# Altium PCB RSSI_Tag_V1.PcbDoc
Units mm, origin at the board's own origin, x right, y up, seen from the top; angles counter-clockwise.
Board outline 79.5 x 85.98 mm, 2 copper layers (Top Layer, Bottom Layer); 76 components, 47 nets, 358 pads, 141 vias.
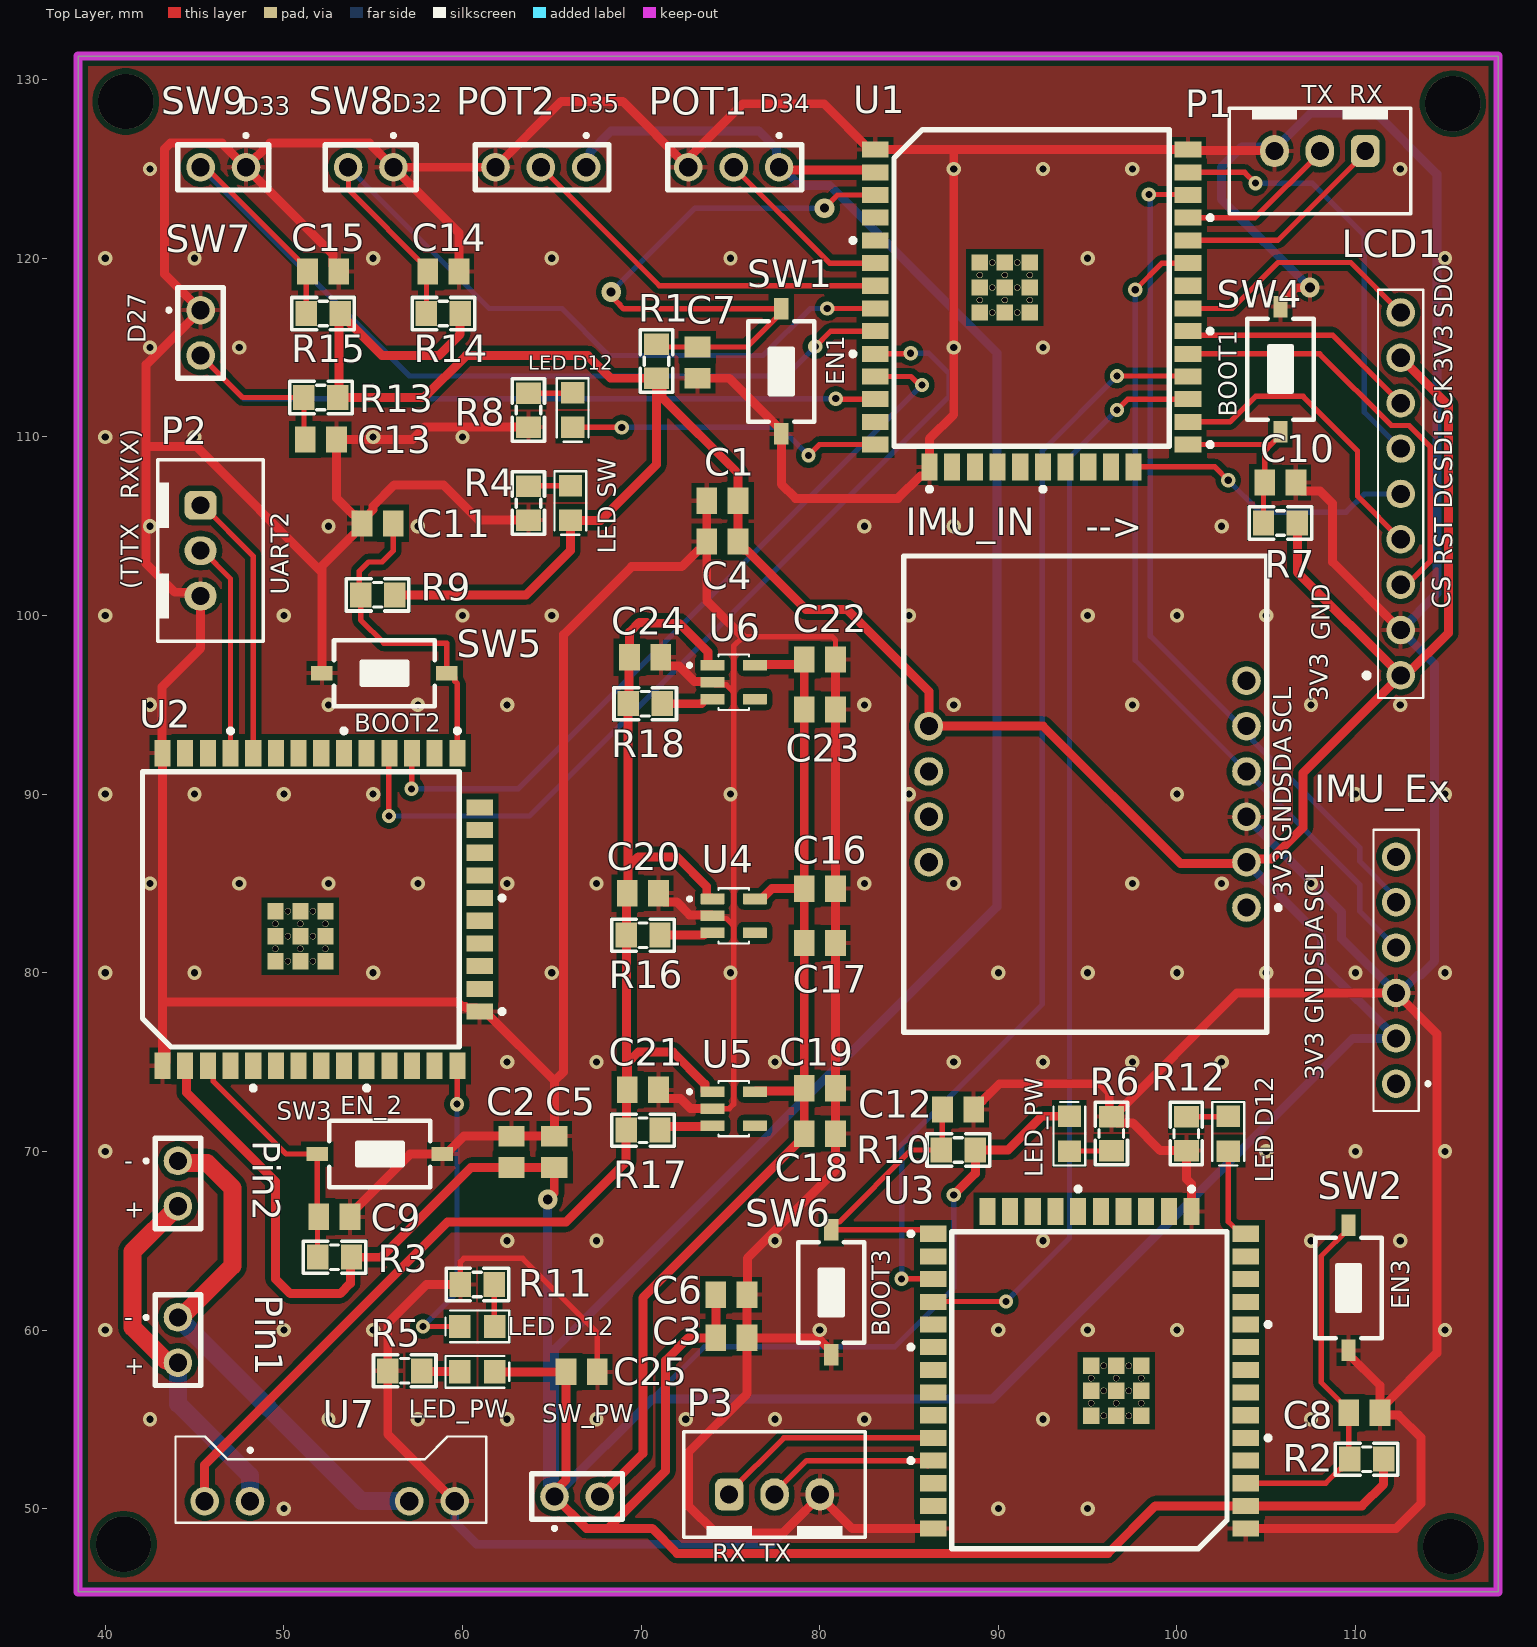
[diagram p0: Top Layer view]
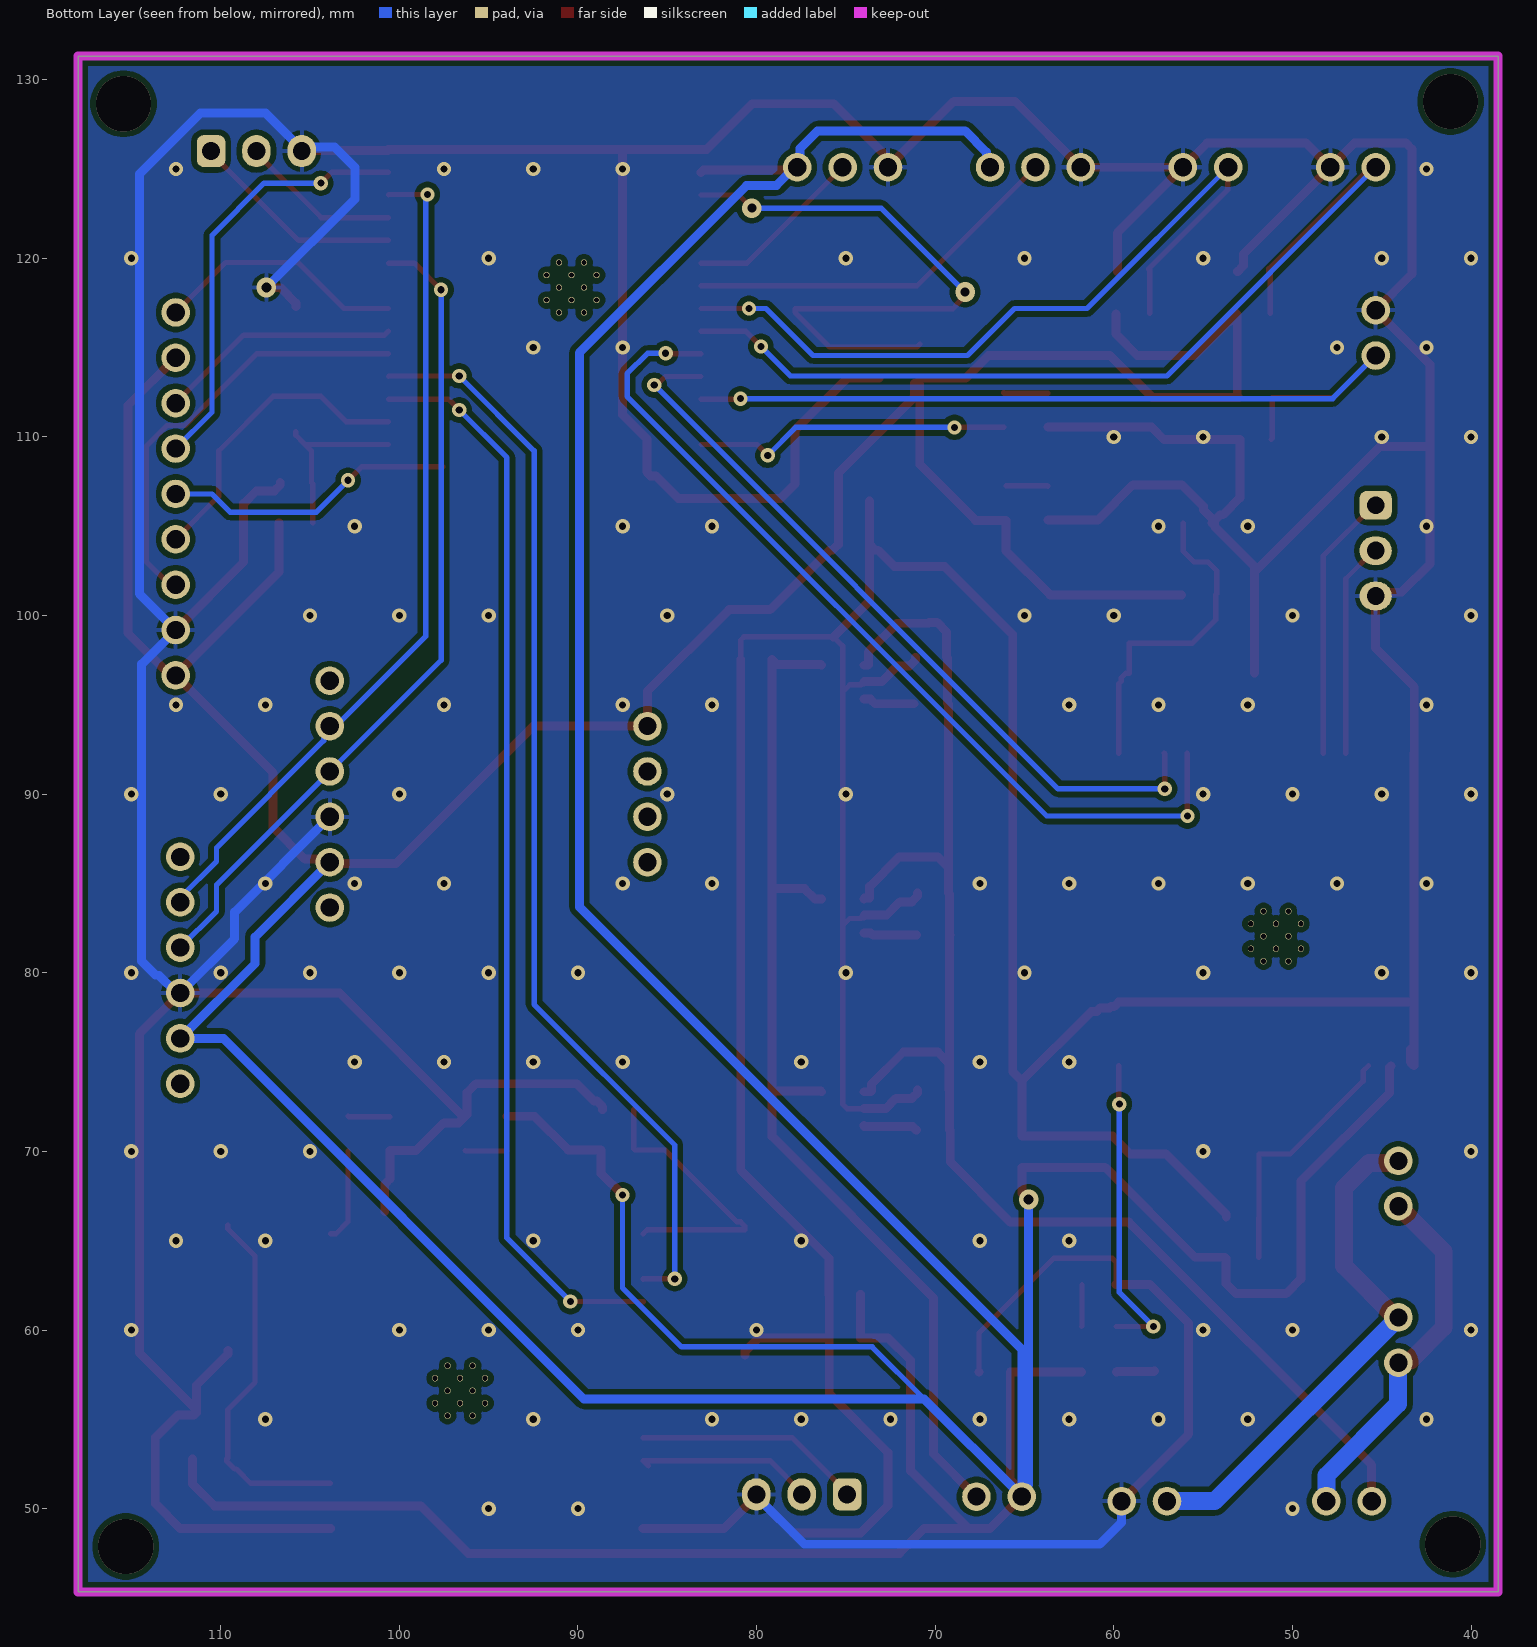
[diagram p1: Bottom Layer view, seen from below]

## Layer stack, top to bottom
Top Solder: solder mask 0.0102, Solder Resist, Dk 3.5
Top Layer: signal copper 0.0356
Dielectric 1: dielectric 0.32, FR-4, Dk 4.8
Bottom Layer: signal copper 0.0356
Bottom Solder: solder mask 0.0102, Solder Resist, Dk 3.5

## Board outline
38.481,45.339 38.481,131.318 117.983,131.318 117.983,45.339

## Design rules (kind name [scope] priority, off if disabled: settings)
Clearance [All] p1: gap=0.3 ignorepadtopadclearanceinfootprint=FALSE
PolygonConnect [All] p1: connectstyle=Relief reliefconductorwidth=0.254 reliefentries=4 polygonreliefangle="90 Angle" airgapwidth=0.254
RoutingVias [All] p1: holewidth=0.711 width=1.27 viastyle="Through Hole" minholewidth=0.711 minwidth=1.27 maxholewidth=0.711 maxwidth=1.27
SolderMaskExpansion [All] p1: expansion=0.102 istentingtop=FALSE
Width POW [InNetClass('POW')] p1: maxlimit=1 minlimit=0.3 preferedwidth=0.5
Width RON [InNetClass('RON')] p2: maxlimit=0.5 minlimit=0.3 preferedwidth=0.3
30 further rules are at their usual default settings.

## Classes and differential pairs
net class RON: BOOT BOOT_2 BOOT_3 D2/SPI_DC D4/SPI_RST D5/SPI_CS D12/LED1 D12/LED1_2 D12/LED1_3 D18/SPI_SCK D19/SPI_SDO D23/SPI_SDI D27 D32 D33 D34_Pot1 D35_Pot2 EN EN_2 EN_3 NetLED1_2 NetLED2_2 NetLED3_2 NetLED4_2 NetLED5_2 NetLED6_2 NetR16_2 NetR17_2 NetR18_2 RX0 RX0_2 RX0_3 RX1/TX2_2 RX2/TX2_3 SCL SDA TX0 TX0_2 TX0_3 TX1/RX2_2 TX2_RX2_3
net class POW: 3V3 GND O_3V3 VBAT+ VBAT- VOUT

## Components (designator, comment, footprint, x,y, rotation, side; value= is the part's Value field where it differs from the comment)
C1 "10uF" Capacitor_0805 74.549,106.426 r180 top
C2 "10uF" Capacitor_0805 62.738,69.977 r90 top
C3 "10uF" Capacitor_0805 75.057,59.563 r0 top
C4 "0.1uF" Capacitor_0805 74.549,104.14 r180 top
C5 "0.1uF" Capacitor_0805 65.138,69.977 r90 top
C6 "0.1uF" Capacitor_0805 75.057,61.976 r0 top
C7 "10uF" Capacitor_0805 73.152,114.159 r270 top
C8 "10uF" Capacitor_0805 110.49,55.372 r0 top
C9 "10uF" Capacitor_0805 52.832,66.335 r0 top
C10 "10uF" Capacitor_0805 105.791,107.442 r0 top
C11 "10uF" Capacitor_0805 55.245,105.156 r180 top
C12 "10uF" Capacitor_0805 87.743,72.341 r0 top
C13 "10uF" Capacitor_0805 52.07,109.855 r0 top
C14 "10uF" Capacitor_0805 58.928,119.253 r0 top
C15 "10uF" Capacitor_0805 52.197,119.253 r0 top
C16 "47uF" Capacitor_0805 80.01,84.709 r0 top
C17 "0.1uF" Capacitor_0805 80.01,81.661 r0 top
C18 "47uF" Capacitor_0805 80.01,70.993 r0 top
C19 "0.1uF" Capacitor_0805 80.01,73.533 r0 top
C20 "0.1uF" Capacitor_0805 70.104,84.455 r0 top
C21 "0.1uF" Capacitor_0805 70.104,73.447 r0 top
C22 "47uF" Capacitor_0805 80.01,97.536 r0 top
C23 "0.1uF" Capacitor_0805 80.01,94.742 r0 top
C24 "0.1uF" Capacitor_0805 70.231,97.663 r0 top
C25 "0.1uF" Capacitor_0805 66.675,57.658 r0 top
IMU_Ex "BNO055" BNO055_External 112.268,80.137 r90 top (schematic designator IMU_Ex1)
IMU_IN "BNO055" BNO055_Internal 95,90 r90 top
LCD1 "ILI9341" ILI9341_LCD3.5 112.522,106.807 r0 top
"LED D12" "Led" "Led 0805 Blue" 102.87,70.993 r90 top (schematic designator LED6)
"LED D12" "Led" "Led 0805 Blue" 60.833,60.198 r0 top (schematic designator LED5)
"LED D12" "Led" "Led 0805 Blue" 66.167,111.506 r90 top (schematic designator LED4)
"LED SW" "Led" "Led 0805 Blue" 66.04,106.299 r90 top (schematic designator LED1)
LED_PW "Led" "Led 0805 Blue" 93.98,70.993 r270 top (schematic designator LED3)
LED_PW "Led" "Led 0805 Blue" 60.833,57.658 r180 top (schematic designator LED2)
P1 "UART" HDR/Header/3/BOX 108,126 r270 top
P2 "UART" HDR/Header/3/BOX 45.339,103.632 r0 top
P3 "UART" HDR/Header/3/BOX 77.47,50.8 r90 top
Pin1 "JP_1x2" JP_1x2 44.069,59.436 r270 top (schematic designator Battery1)
Pin2 "JP_1x2" JP_1x2 44.069,68.199 r270 top (schematic designator Battery2)
POT1 "JP_1x3" JP_1x3 79.121,119.634 r180 top
POT2 "JP_1x3" JP_1x3 68.326,119.634 r180 top
R1 "10k" "tro smd 0805" 70.927,114.238 r270 top
R2 "10k" "tro smd 0805" 110.617,52.832 r0 top
R3 "10k" "tro smd 0805" 52.832,64.135 r0 top
R4 "1k" "tro smd 0805" 63.754,106.299 r270 top
R5 "1k" "tro smd 0805" 56.769,57.658 r180 top
R6 "1k" "tro smd 0805" 96.266,70.993 r90 top
R7 "10k" "tro smd 0805" 105.791,105.242 r0 top
R8 "1k" "tro smd 0805" 63.754,111.506 r270 top
R9 "10k" "tro smd 0805" 55.245,101.219 r0 top
R10 "10k" "tro smd 0805" 87.757,70.14 r0 top
R11 "1k" "tro smd 0805" 60.833,62.484 r180 top
R12 "1k" "tro smd 0805" 100.584,70.993 r270 top
R13 "10k" "tro smd 0805" 52.07,112.268 r0 top
R14 "10k" "tro smd 0805" 58.928,116.967 r0 top
R15 "10k" "tro smd 0805" 52.197,116.967 r0 top
R16 "1k" "tro smd 0805" 70.104,82.169 r0 top
R17 "1k" "tro smd 0805" 70.104,71.247 r0 top
R18 "1k" "tro smd 0805" 70.231,95.123 r0 top
SW1 "SW" SW1-SMD 77.851,113.665 r90 top value="SW chip 2 pin"
SW2 "SW" SW1-SMD 109.601,62.357 r90 top value="SW chip 2 pin"
SW3 "SW" SW1-SMD 55.372,69.85 r180 top value="SW chip 2 pin"
SW4 "SW" SW1-SMD 105.791,113.792 r270 top value="SW chip 2 pin"
SW5 "SW" SW1-SMD 55.626,96.774 r0 top value="SW chip 2 pin"
SW6 "SW" SW1-SMD 80.645,62.103 r90 top value="SW chip 2 pin"
SW7 "JP_1x2" JP_1x2 45.339,115.824 r270 top
SW8 "JP_1x2" JP_1x2 54.864,125.095 r180 top
SW9 "JP_1x2" JP_1x2 46.609,125.095 r180 top
SW_PW "SW_POWER" JP_1x2 66.421,50.673 r0 top (schematic designator jp_1)
U1 "ESP32_WROOM_32U" ESP32_WROOM_32U 91.859,117.201 r0 top
U2 "ESP32_WROOM_32U" ESP32_WROOM_32U 52.084,83.545 r90 top
U3 "ESP32_WROOM_32U" ESP32_WROOM_32U 95.1,57.76 r180 top
U4 "AP2112K-3.3TRG1" SOT95P285X140-5N 75.184,83.185 r0 top
U5 "AP2112K-3.3TRG1" SOT95P285X140-5N 75.184,72.39 r0 top
U6 "AP2112K-3.3TRG1" SOT95P285X140-5N 75.184,96.266 r0 top
U7 "TP4056_charger" TP4056_charger 52.563,38.919 r90 top

## Footprints (in the part's own frame and the unit in brackets; to place one, negate y for a bottom-side part, rotate by r counter-clockwise, add the part's x,y. Pads: shape width x height; smd on the part's side, far side on the other; paste and mask are expansions set on the pad)
BNO055_External [mm]
  round 1.6 hole 1.02 mask+0.1: 1(-6.35,0) 2(-3.81,0) 3(-1.27,0) 4(1.27,0) 5(3.81,0) 6(6.35,0)
  silkscreen extent -7.87,-1.88 7.87,1.27, body extent -8.75,-2.16 8.75,3.59, height 7.1
BNO055_Internal [mm]
  round 1.6 hole 1.02 mask+0.1: 1(-6.35,-8.89) 2(-3.81,-8.89) 3(-1.27,-8.89) 4(1.27,-8.89) 5(3.81,-8.89) 6(6.35,-8.89) 7(3.81,8.89) 8(1.27,8.89) 9(-1.27,8.89) 10(-3.81,8.89)
  silkscreen extent -13.33,-10.77 13.33,10.29, body extent -13.33,-10.12 13.33,10.29, height 9.15
Capacitor_0805 [mm]
  rect 1.16x1.47 smd: 1(-0.875,0) 2(0.875,0)
  body extent -1,-0.6 1,0.6, height 1.2
ESP32_WROOM_32U [mm]
  rect 1.5x0.9 smd: 1(-8.75,8.88) 2(-8.75,7.61) 3(-8.75,6.34) 4(-8.75,5.07) 5(-8.75,3.8) 6(-8.75,2.53) 7(-8.75,1.26) 8(-8.75,-0.01) 9(-8.75,-1.28) 10(-8.75,-2.55) 11(-8.75,-3.82) 12(-8.75,-5.09) 13(-8.75,-6.36) 14(-8.75,-7.63) 25(8.75,-7.63) 26(8.75,-6.36) 27(8.75,-5.09) 28(8.75,-3.82) 29(8.75,-2.55) 30(8.75,-1.28) 31(8.75,-0.01) 32(8.75,1.26) 33(8.75,2.53) 34(8.75,3.8) 35(8.75,5.07) 36(8.75,6.34) 37(8.75,7.61) 38(8.75,8.88)
  rect 0.9x1.5 smd: 15(-5.715,-8.88) 16(-4.445,-8.88) 17(-3.175,-8.88) 18(-1.905,-8.88) 19(-0.635,-8.88) 20(0.635,-8.88) 21(1.905,-8.88) 22(3.175,-8.88) 23(4.445,-8.88) 24(5.715,-8.88)
  rect 0.9x0.9 smd: 39_1(-2.9,2.56) 39_2(-1.5,2.56) 39_3(-0.1,2.56) 39_4(-2.9,1.16) 39_5(-1.5,1.16) 39_6(-0.1,1.16) 39_7(-2.9,-0.24) 39_8(-1.5,-0.24) 39_9(-0.1,-0.24)
  round 0.35 hole 0.3 mask+0: 40_1(-2.2,2.56) 40_2(-0.8,2.56) 40_3(-2.9,1.86) 40_4(-1.5,1.86) 40_5(-0.1,1.86) 40_6(-2.2,1.16) 40_7(-0.8,1.16) 40_8(-2.9,0.46) 40_9(-1.5,0.46) 40_10(-0.1,0.46) 40_11(-2.2,-0.24) 40_12(-0.8,-0.24)
  silkscreen extent -10.1,-10.23 10.1,10, body extent -9,-9.13 9,10.07, height 3.35
HDR/Header/3/BOX [mm]
  rrect50% 1.8x1.6 hole 1: 1(0,2.54)
  oval 1.8x1.6 hole 1: 2(0,0) 3(0,-2.54)
  silkscreen extent -2.41,-5.08 3.5,5.08, body extent -2.29,-5 3.41,5, height 7
ILI9341_LCD3.5 [mm]
  round 1.6 hole 1.02 mask+0.1: 1(0,-10.16) 2(0,-7.62) 3(0,-5.08) 4(0,-2.54) 5(0,0) 6(0,2.54) 7(0,5.08) 8(0,7.62) 9(0,10.16)
  silkscreen extent -2.03,-11.43 1.27,11.43, body extent -3.56,-12.5 2.19,12.5, height 7.1
JP_1x2 [mm] "CWF2 (DS1069-1x2)"
  round 1.6 hole 1.02 mask+0.1: 1(-1.27,0) 2(1.27,0)
  silkscreen extent -2.54,-1.88 2.54,1.27, body extent -3.77,-2.2 3.73,3.55, height 7
JP_1x3 [mm] "CWF3 (DS1069-1x3)"
  round 1.6 hole 1.02 mask+0.1: 1(1.397,-5.461) 2(3.937,-5.461) 3(6.477,-5.461)
  silkscreen extent 0.13,-7.34 7.62,-4.19, body extent -1.06,-7.66 8.94,-1.9, height 7.1
"Led 0805 Blue" [mm]
  rect 1.2x1.3 smd: 1(-0.975,0) 2(0.975,0)
  silkscreen extent -1.78,-0.89 1.78,0.89, body extent -1.01,-0.62 1.01,0.63, height 1.1
SOT95P285X140-5N [mm]
  rrect15% 1.35x0.6 smd: 1(-1.185,0.95) 2(-1.185,0) 3(-1.185,-0.95) 4(1.185,-0.95) 5(1.185,0.95)
  silkscreen extent -2.57,-1.55 0.85,1.55, body extent -1.5,-1.4 1.5,1.4, height 1.4
SW1-SMD [mm]
  rect 1.2x0.8 smd: 1(-3.5,0) 2(3.5,0)
  silkscreen extent -2.82,-1.85 2.82,1.85, body extent -3.05,-1.85 3.05,1.85, height 2.5
TP4056_charger [mm]
  round 1.6 hole 1.02 mask+0.1: 1(11.5,4.46) 2(11.5,-4.46) 3(11.5,7) 4(11.5,-7)
  silkscreen extent 10.29,-8.76 15.11,8.64, body extent -14.19,-8.76 15.11,8.64, height 9.34
"tro smd 0805" [mm]
  rect 1.2x1.4 smd: 1(-0.946,-0.061) 2(0.954,-0.061)
  silkscreen extent -1.75,-0.97 1.75,0.84, body extent -1.56,-0.76 1.44,0.64, height 0.53

## Part data
C1 C2 C3 C4 C5 C6 C7 C8 C9 C10 C11 C12 C13 C14 C15 C16 C17 C18 C19 C20 C21 C22 C23 C24 C25: library part Capacitor_0805, "Capacitor; Ceramic; Cap; .220uF; Tol 10%; SMT; Vol-Rtg 50V; X7R; Tape And Reel"
IMU_Ex: library part BNO055_External
LCD1: library part ILI9341_LCD3.5
"LED D12" "LED D12" "LED D12" "LED SW" LED_PW LED_PW: "Typical LED"
P1 P2 P3: library part "Header 3", "Header, 3-Pin"
R1 R2 R3 R7 R9 R10 R13 R14 R15: library part "Tro 0805 1% 10k", "Dán", Chung_Loai=Dán, Don_Vi=Con, Ma_Hang=MH005473, So_Chan=2, Ten_Linh_Kien="Trở 0805 1% 10k"
R4 R5 R6 R8 R11 R12 R16 R17 R18: library part "Tro 0805 1% 1k", "Dán", Chung_Loai=Dán, Don_Vi=Con, Ma_Hang=MH005468, So_Chan=2, Ten_Linh_Kien="Trở 0805 1% 1k"
SW1 SW2 SW3 SW4 SW5 SW6: library part SW2, "Switch button 2 pin"
SW_PW: library part JP_1x2
U1 U2 U3: "Bluetooth, WiFi 802.11b/g/n, Bluetooth v4.2 +EDR, Class 1, 2 and 3 Transceiver Module 2.4GHz ~ 2.5GHz Antenna Not Included, U.FL Surface Mount"
U4 U5 U6: "Linear Voltage Regulator IC Positive Fixed 1 Output 600mA SOT-25", Package="SOT-753 Diodes Inc.", Availability="In Stock", Check_prices=https://www.snapeda.com/parts/AP2112K-3.3TRG1/Diodes+Inc./view-part/?ref=eda, MF="Diodes Inc.", MP=AP2112K-3.3TRG1, Price=None, Purchase-URL=https://pricing.snapeda.com/search/part/AP2112K-3.3TRG1/?ref=eda, SnapEDA_Link=https://www.snapeda.com/parts/AP2112K-3.3TRG1/Diodes+Inc./view-part/?ref=snap

## Via types
v1: diameter 0.8, hole 0.4, Top Layer to Bottom Layer, 133 vias
v2: diameter 3.1, hole 3.1, Top Layer to Bottom Layer, 4 vias
v3: diameter 1.1, hole 0.5, Top Layer to Bottom Layer, 2 vias
v4: diameter 1.1, hole 0.55, Top Layer to Bottom Layer, 2 vias

## Nets (pads, with @x,y where several pads share a name; then routed paths per layer and width w, separated by ;. In a path a pad name is that pad's centre, name@x,y a point inside that pad or via, vN(x,y) a via of type N, cw(c..) or ccw(c..) an arc to the next point about the centre after c; other vN are vias at no path point)
3V3: "LED SW.1" C1.1 C2.1 C3.1 C4.1 C5.1 C6.1 C25.1 IMU_Ex.2 IMU_IN.2 IMU_IN.7 LCD1.1 LCD1.8 LED_PW.1 POT1.1 POT2.1 R1.2 R2.2 R3.2 R7.2 R9.2 R10.2 R13.2 R14.2 R15.2 SW_PW.1 U1.2 U2.2 U3.2 | length 494.8
  Top Layer w0.5: U2.2 44.561,74.708 44.561,73.295 49.53,68.326 49.53,62.865 50.355,62.039 53.149,62.039 53.721,62.611 53.721,64.009 R3.2 55.456,64.074 60.484,69.102 C2.1 C5.1 65.138,67.678 v4(64.77,67.31) ; R15.2@53.088,116.843 53.088,112.271 R13.2 57.851,112.207 60.198,114.554 67.021,114.554 68.291,113.284 R1.2 ; R15.2 53.151,116.806 53.501,116.456 53.601,116.456 55.504,114.554 58.674,114.554 59.869,115.749 R14.2@59.869,116.893 ; R9.2 63.566,101.158 66.04,103.632 66.04,105.324 67.732,105.324 70.866,108.458 R1.2@70.866,112.934 ; LED_PW.1@61.808,57.658 C25.1 65.8,51.62 65.151,50.971 SW_PW.1 66.929,48.895 68.16,48.895 ; R1.2@70.921,112.989 71.161,112.989 71.161,112.227 75.424,107.964 C1.1 C4.1 75.424,103.985 75.754,103.655 75.909,103.655 79.234,100.33 81.534,100.33 86.11,95.754 IMU_IN.7 92.499,93.81 100.203,86.106 103.806,86.106 IMU_IN.2 104.06,86.36 105.283,86.36 107.061,88.138 107.061,91.186 LCD1.1 ; C6.1 C3.1 72.644,59.563 71.374,58.293 71.374,52.109 68.16,48.895 ; POT1.1 77.866,124.953 82.967,124.953 U1.2 ; v1(87.503,67.564) 88.711,68.772 R10.2 90.552,70.08 92.44,71.968 LED_PW.1@93.98,71.968 ; R7.2 106.745,102.424 LCD1.1 ; R2.2 111.571,51.373 110.348,50.15 U3.2 98.791,50.15 96.139,47.498 72.009,47.498 70.612,48.895 68.16,48.895 ; LCD1.8 115.189,111.76 115.189,99.016 112.82,96.647 LCD1.1
  Bottom Layer w0.3: 70.612,56.134 73.533,59.055 84.201,59.055 87.503,62.357 v1(87.503,67.564)
  Bottom Layer w0.5: SW_PW.1@64.77,51.352 v4(64.77,67.31) ; SW_PW.1 65.151,58.928 89.916,83.693 89.916,114.713 80.554,124.075 78.896,124.075 77.875,125.095 POT1.1 77.572,125.247 77.572,126.136 76.581,127.127 68.326,127.127 67.139,125.94 67.139,125.305 POT2.1 ; SW_PW.1@65.3,50.822 70.612,56.134 89.662,56.134 109.855,76.327 IMU_Ex.2 108.079,80.516 108.079,82.001 IMU_IN.2
BOOT: C10.1 R7.1 SW4.2 U1.25 | length 10.2
  Top Layer w0.3: U1.25 105.27,109.571 ; R7.1 104.845,107.371 C10.1 104.916,109.217 105.27,109.571 ; SW4.2 105.791,110.092 105.27,109.571
BOOT_2: C11.1 R9.1 SW5.2 U2.25 | length 18.5
  Top Layer w0.3: C11.1 56.12,103.618 55.499,102.997 54.737,102.997 54.229,102.489 54.229,101.229 R9.1 54.299,99.752 55.594,98.457 59.126,98.457 SW5.2 59.326,96.774 59.576,96.524 59.576,96.324 59.714,96.186 U2.25
BOOT_3: C12.1 R10.1 SW6.2 U3.25 | length 16.2
  Top Layer w0.3: U3.25 86.137,65.603 SW6.2 80.645,65.803 80.895,66.053 81.095,66.053 85.122,70.08 R10.1 86.868,70.136 C12.1
D2/SPI_DC: LCD1.5 U1.24 | length 16.4
  Top Layer w0.3: U1.24 102.118,108.321 v1(102.87,107.569)
  Bottom Layer w0.3: v1(102.87,107.569) 104.648,105.791 109.474,105.791 110.49,106.807 LCD1.5
D4/SPI_RST: LCD1.4 U1.26 | length 17.3
  Top Layer w0.3: U1.26 102.967,110.841 104.394,112.268 107.061,112.268 110.109,109.22 110.109,106.68 LCD1.4
D5/SPI_CS: LCD1.3 U1.29 | length 24.3
  Top Layer w0.3: U1.29 107.99,114.651 112.004,110.637 113,110.637 114.173,109.464 114.173,103.026 112.874,101.727 LCD1.3
D12/LED1: "LED D12.1"@66.167,110.531 U1.14 | length 17.9
  Top Layer w0.3: 66.167,110.531 v1(68.92,110.531) v1@68.961,110.49 ; v1(79.375,108.966) 79.98,109.571 U1.14
  Bottom Layer w0.3: v1(68.92,110.531) 77.81,110.531 v1(79.375,108.966)
D12/LED1_2: "LED D12.1"@59.858,60.198 U2.14 | length 17.2
  Top Layer w0.3: v1@58.039,60.198 59.858,60.198 ; v1(59.69,72.644) 59.714,72.668 U2.14
  Bottom Layer w0.3: v1(57.785,60.198) 59.69,62.103 v1(59.69,72.644)
D12/LED1_3: "LED D12.1"@102.87,70.018 U3.14 | length 5.2
  Top Layer w0.3: 102.87,70.018 102.87,66.07 103.55,65.39 U3.14
D18/SPI_SCK: LCD1.7 U1.30 | length 13.6
  Top Layer w0.3: U1.30 100.833,115.697 108.712,115.697 LCD1.7
D19/SPI_SDO: LCD1.9 U1.31 | length 14.1
  Top Layer w0.3: U1.31 103.094,117.191 105.664,119.761 109.728,119.761 LCD1.9
D23/SPI_SDI: LCD1.6 U1.37 | length 24.1
  Top Layer w0.3: U1.37 103.789,124.811 v1(104.394,124.206)
  Bottom Layer w0.3: v1(104.394,124.206) 107.569,124.206 110.49,121.285 110.49,111.379 LCD1.6
D27: C13.1 R13.1 SW7.2 U1.12 | length 47.7
  Top Layer w0.3: SW7.2 47.686,112.207 R13.1 51.124,109.926 C13.1 ; v1@81.153,112.141 81.183,112.111 U1.12
  Bottom Layer w0.3: SW7.2 47.752,112.141 v1(80.899,112.141)
D32: C14.1 R14.1 SW8.2 U1.8 | length 45.1
  Top Layer w0.3: SW8.2 53.616,125.073 53.616,123.845 58.053,119.408 57.982,119.337 R14.1 ; v1@80.391,117.221 v1(80.421,117.191) U1.8
  Bottom Layer w0.3: SW8.2 61.498,117.191 65.562,117.191 68.073,114.68 68.199,114.554 76.835,114.554 79.472,117.191 v1(80.421,117.191)
D33: C15.1 R15.1 SW9.2 U1.9 | length 54.5
  Top Layer w0.3: SW9.2 45.635,125.095 51.322,119.408 C15.1 51.251,119.182 R15.1 ; v1(79.756,115.062) 80.615,115.921 U1.9
  Bottom Layer w0.3: SW9.2 57.023,113.411 78.105,113.411 v1(79.756,115.062)
D34_Pot1: POT1.2 U1.6 | length 10.1
  Top Layer w0.3: POT1.2 80.548,119.731 U1.6
D35_Pot2: POT2.2 U1.7 | length 21.5
  Top Layer w0.3: POT2.2 71.023,118.461 U1.7
EN: C7.1 R1.1 SW1.2 U1.3 | length 35.1
  Top Layer w0.3: v3(68.326,118.11) 68.326,117.894 68.8,117.419 68.8,117.382 69.017,117.165 SW1.2 77.851,116.965 75.92,115.034 C7.1 71.016,115.034 R1.1 ; v3(80.264,122.809) 80.996,123.541 U1.3
  Bottom Layer w0.3: v3(68.326,118.11) 73.025,122.809 v3(80.264,122.809)
EN_2: C9.1 R3.1 SW3.2 U2.3 | length 14.3
  Top Layer w0.3: U2.3 46.044,74.495 46.044,73.929 50.123,69.85 SW3.2 51.872,66.279 51.886,66.265 R3.1
EN_3: C8.1 R2.1 SW2.2 U3.3 | length 20.8
  Top Layer w0.3: U3.3 108.32,51.42 109.121,52.221 109.221,52.221 109.671,52.671 R2.1 109.615,52.828 C8.1 109.615,55.527 108.077,57.065 108.077,64.133 109.601,65.657 SW2.2
GND: C1.2 C2.2 C3.2 C4.2 C5.2 C6.2 C7.2 C8.2 C9.2 C10.2 C11.2 C12.2 C13.2 C14.2 C15.2 C16.2 C17.2 C18.2 C19.2 C20.2 C21.2 C22.2 C23.2 C24.2 C25.2 IMU_Ex.3 IMU_IN.3 LCD1.2 P1.3 P2.3 P3.3 POT1.3 POT2.3 R4.2 R5.2 R6.2 R8.2 R11.2 R12.2 SW1.1 SW2.1 SW3.1 SW4.1 SW5.1 SW6.1 SW7.1 SW8.1 SW9.1 U1.1 U1.15 U1.38 U2.1 U2.15 U2.38 U3.1 U3.15 U3.38 U4.2 U5.2 U6.2 U7.4 | length 668.9
  Top Layer w0.3: R11.2 59.879,63.816 60.074,64.011 63.37,64.011 67.55,59.831 C25.2 ; U5.2 74.93,72.39 75.184,72.644 75.184,82.635 ; U4.2 74.149,83.035 74.784,83.035 75.184,82.635 ; U6.2 74.149,96.116 74.784,96.116 75.184,95.716 ; C22.2 80.885,98.63 80.709,98.806 75.692,98.806 75.184,98.298 75.184,95.716 ; 75.184,82.635 75.184,95.716
  Top Layer w0.5: 43.404,75.703 43.404,74.995 U2.1 43.204,78.359 ; SW5.1 52.126,102.433 ; C15.2 52.742,119.583 52.742,120.232 SW9.1 ; C9.2 53.707,66.49 57.067,69.85 SW3.1 59.072,69.85 60.074,70.852 C2.2 C5.2 65.151,70.865 65.151,73.943 ; C11.2@54.497,105.184 C11.2@54.37,105.311 ; U7.4@59.567,50.415 U7.4 55.815,54.167 R5.2 55.815,60.387 57.973,62.545 R11.2 ; C14.2 59.803,121.426 SW8.1 ; R4.2 60.898,105.345 58.928,107.315 56.186,107.315 54.99,106.119 54.99,105.931 C11.2@54.37,105.311 ; R8.2 57.889,110.552 57.192,109.855 C13.2 52.945,106.581 53.885,105.641 54.04,105.641 C11.2@54.37,105.311 ; C25.2 C25.2@67.557,57.651 ; C21.2 70.979,73.292 71.309,72.962 72.199,72.962 72.771,72.39 U5.2 ; C20.2 70.979,84.3 71.309,83.97 71.986,83.97 72.721,83.235 73.949,83.235 U4.2 ; C24.2 71.106,97.508 71.436,97.178 72.113,97.178 72.975,96.316 73.949,96.316 U6.2 ; C7.2 74.932,113.284 77.851,110.365 SW1.1 77.851,107.354 78.652,106.553 84.376,106.553 85.644,107.821 85.944,107.821 86.144,108.021 U1.15 86.144,109.893 87.503,111.252 87.503,126.081 ; C1.2 C4.2 C4.2@73.674,103.985 ; 75.692,98.806 73.674,100.824 C4.2@73.674,103.985 ; P3.3 P3.3@80.01,50.7 ; SW6.1 80.645,58.803 79.885,59.563 C3.2 ; C22.2 C23.2 C16.2 C17.2 C19.2 C18.2 80.885,68.947 75.946,64.008 75.946,61.99 C6.2 C3.2 ; U3.38 81.83,48.88 P3.3@80.01,50.7 ; C12.2 88.618,72.496 88.948,72.826 89.103,72.826 90.064,73.787 95.719,73.787 96.209,73.297 96.209,72.066 R6.2 ; U3.15 100.815,68.168 100.523,68.46 R12.2 99.073,70.039 97.514,71.597 96.677,71.597 R6.2 ; U3.1 112.253,48.88 113.665,50.292 113.665,53.975 112.402,55.238 111.499,55.238 C8.2 ; P1.3 105.419,126.04 100.65,126.04 U1.38 87.503,126.081 ; SW4.1 105.791,117.492 106.648,118.349 107.427,118.349 v4(107.442,118.364) ; C10.2 106.666,107.306 106.996,106.976 107.996,106.976 108.712,106.26 108.712,102.997 LCD1.2 ; SW2.1 109.601,58.657 111.365,56.893 111.365,55.527 114.554,58.716 114.554,76.581 IMU_Ex.3 103.346,78.867 96.427,71.947 R6.2 ; 42.291,109.601 42.291,114.046 SW7.1 43.307,119.126 43.307,126.111 43.641,126.445 46.529,126.445 SW9.1 ; 42.291,109.601 42.291,102.909 43.897,101.302 45.129,101.302 P2.3 45.339,98.171 43.18,96.012 43.18,92.319 U2.38 43.204,78.359 ; 42.291,109.601 42.418,109.474 45.085,109.474 52.126,102.433 ; 43.204,78.359 59.727,78.359 59.986,78.1 60.171,78.1 60.241,78.03 60.764,78.03 U2.15 61.264,77.83 65.151,73.943 ; SW9.1 49.229,126.445 54.784,126.445 SW8.1 ; 52.126,102.433 52.126,102.757 54.37,105.001 C11.2 C11.2@54.37,105.311 ; SW8.1 POT2.3 65.532,128.778 68.961,128.778 POT1.3 72.854,125.305 72.854,125.813 75.692,128.651 80.239,128.651 82.809,126.081 U1.1 87.503,126.081 ; 65.151,73.943 65.659,74.451 65.659,98.933 69.469,102.743 72.277,102.743 73.189,103.655 73.344,103.655 C4.2@73.674,103.985 ; C3.2 75.932,56.43 72.644,53.142 72.644,50.165 74.168,48.641 77.951,48.641 P3.3@80.01,50.7
  Bottom Layer w0.5: U7.4 59.565,50.417 59.565,49.229 60.789,48.006 77.316,48.006 80.01,50.7 P3.3 P3.3@79.808,50.598 ; IMU_IN.3 109.22,83.4 109.22,81.915 IMU_Ex.3 112.472,78.867 113.466,79.861 113.643,79.861 114.427,80.645 114.427,97.282 LCD1.2 114.554,101.219 114.554,124.714 111.125,128.143 107.503,128.143 105.46,126.1 P1.3 105.222,126.238 103.632,126.238 102.489,125.095 102.489,123.317 v4(107.442,118.364)
  other v1: 50,50 90,50 95,50 42.5,55 52.5,55 57.5,55 62.5,55 67.5,55 72.5,55 77.5,55 82.5,55 92.5,55 107.5,55 40,60 50,60 55,60 80,60 90,60 95,60 100,60 115,60 62.5,65 67.5,65 77.5,65 92.5,65 107.5,65 112.5,65 40,70 55,70 105,70 110,70 115,70 62.5,75 67.5,75 77.5,75 87.5,75 92.5,75 97.5,75 102.5,75 40,80 45,80 55,80 65,80 75,80 90,80 95,80 100,80 105,80 110,80 115,80 42.5,85 47.5,85 52.5,85 57.5,85 62.5,85 67.5,85 82.5,85 87.5,85 97.5,85 102.5,85 107.5,85 40,90 45,90 50,90 55,90 75,90 85,90 100,90 110,90 115,90 42.5,95 52.5,95 57.5,95 62.5,95 82.5,95 87.5,95 97.5,95 107.5,95 112.5,95 40,100 50,100 60,100 65,100 85,100 95,100 100,100 105,100 42.5,105 52.5,105 57.5,105 82.5,105 87.5,105 102.5,105 40,110 45,110 55,110 60,110 42.5,115 47.5,115 87.5,115 92.5,115 40,120 45,120 55,120 65,120 75,120 95,120 115,120 42.5,125 87.5,125 92.5,125 97.5,125 112.5,125
NetLED1_2: "LED SW.2" R4.1 | length 2.4
  Top Layer w0.3: R4.1 63.723,107.274 66.04,107.274
NetLED2_2: LED_PW.2@59.858,57.658 R5.1 | length 2.2
  Top Layer w0.5: R5.1 57.745,57.688 59.828,57.688 LED_PW.2@59.858,57.658
NetLED3_2: LED_PW.2@93.98,70.018 R6.1 | length 2.4
  Top Layer w0.3: LED_PW.2@93.98,70.018 96.297,70.018 R6.1
NetLED4_2: "LED D12.2"@66.167,112.481 R8.1 | length 2.5
  Top Layer w0.3: R8.1 66.138,112.452 66.167,112.481
NetLED5_2: "LED D12.2"@61.808,60.198 R11.1 | length 2.4
  Top Layer w0.3: R11.1 61.779,60.227 61.808,60.198
NetLED6_2: "LED D12.2"@102.87,71.968 R12.1 | length 2.4
  Top Layer w0.3: R12.1 102.841,71.939 102.87,71.968
NetR16_2: R16.2 U4.3 | length 3
  Top Layer w0.5: R16.2 73.497,82.108 73.624,82.235 U4.3
NetR17_2: R17.2 U5.3 | length 3
  Top Layer w0.5: R17.2 71.262,71.39 73.949,71.39 U5.3
NetR18_2: R18.2 U6.3 | length 2.9
  Top Layer w0.5: R18.2 73.37,95.062 73.624,95.316 U6.3
O_3V3: C16.1 C17.1 C18.1 C19.1 C22.1 C23.1 SW_PW.2 U4.5 U5.5 U6.5 | length 60.4
  Top Layer w0.5: SW_PW.2 70.104,53.086 70.104,61.807 79.135,70.838 C18.1 C19.1 ; U5.5 76.419,73.39 78.992,73.39 C19.1 ; U4.5 76.744,84.135 77.318,84.709 C16.1 ; U6.5 76.419,97.266 78.865,97.266 C22.1 C23.1 C16.1 ; C19.1 C17.1 C16.1
RX0: P1.1 U1.34 | length 12.1
  Top Layer w0.3: U1.34 105.641,121.001 110.54,125.9 P1.1
RX0_2: P2.1 U2.34 | length 15.2
  Top Layer w0.3: P2.1 45.439,106.172 48.284,103.327 U2.34
RX0_3: P3.1 U3.34 | length 12.8
  Top Layer w0.3: P3.1 74.93,50.9 77.99,53.96 U3.34
RX1/TX2_2: U1.10 U2.28 | length 50.5
  Top Layer w0.3: v1(55.88,88.773) 55.88,92.271 U2.28 ; U1.10 85.06,114.651 v1(85.09,114.681)
  Bottom Layer w0.3: v1(55.88,88.773) 63.754,88.773 87.249,112.268 87.249,113.538 86.106,114.681 v1(85.09,114.681)
RX2/TX2_3: U1.27 U3.28 | length 60.8
  Top Layer w0.3: U3.28@86.335,61.595 U3.28 86.365,61.595 v1(90.424,61.595) ; v1(96.647,111.506) 97.252,112.111 U1.27
  Bottom Layer w0.3: v1(90.424,61.595) 93.98,65.151 93.98,108.839 v1(96.647,111.506)
SCL: IMU_Ex.5 IMU_IN.5 U1.36 | length 47.8
  Top Layer w0.3: v1(98.425,123.571) 100.579,123.571 U1.36
  Bottom Layer w0.3: v1(98.425,123.571) 98.513,123.483 98.513,98.845 103.548,93.81 IMU_IN.5 103.89,93.458 104.239,93.109 104.239,92.992 110.236,86.995 110.236,86.233 112.268,84.201 IMU_Ex.5
SDA: IMU_Ex.4 IMU_IN.4 U1.33 | length 46.4
  Top Layer w0.3: v1(97.663,118.237) 99.157,119.731 U1.33
  Bottom Layer w0.3: v1(97.663,118.237) 97.663,97.497 110.236,84.924 110.236,83.439 IMU_Ex.4
TX0: P1.2 U1.35 | length 9
  Top Layer w0.3: U1.35 104.371,122.271 108,125.9 P1.2
TX0_2: P2.2 U2.35 | length 12.1
  Top Layer w0.3: P2.2 45.439,103.632 47.014,102.057 U2.35
TX0_3: P3.2 U3.35 | length 10.1
  Top Layer w0.3: P3.2 77.47,50.9 79.26,52.69 U3.35 U3.35@86.05,52.39
TX1/RX2_2: U1.11 U2.27 | length 42.8
  Top Layer w0.3: v1(57.15,90.297) 57.15,92.271 U2.27 ; U1.11 85.112,113.381 85.59,112.903 v1(85.725,112.903)
  Bottom Layer w0.3: v1(57.15,90.297) 63.119,90.297 v1(85.725,112.903)
TX2_RX2_3: U1.28 U3.27 | length 61.3
  Top Layer w0.3: v1(84.582,62.865) 86.335,62.865 U3.27 ; v1(96.647,113.411) 100.579,113.411 U1.28
  Bottom Layer w0.3: v1(84.582,62.865) 84.582,70.358 92.456,78.232 92.456,109.22 v1(96.647,113.411)
VBAT+: Pin1.2 Pin2.2 U7.1 | length 20.6
  Top Layer w1: Pin1.2 43.954,58.281 43.397,58.281 41.529,60.149 41.529,64.389 Pin2.2
  Bottom Layer w1: Pin1.2 44.083,58.152 44.083,55.866 48.103,51.846 U7.1
VBAT-: Pin1.1 Pin2.1 U7.2 | length 29.5
  Top Layer w1: Pin1.1 44.231,60.706 47.117,63.592 47.117,67.945 45.708,69.354 44.184,69.354 Pin2.1
  Bottom Layer w1: Pin1.1 54.356,50.419 U7.2
VOUT: C20.1 C21.1 C24.1 R16.1 R17.1 R18.1 U4.1 U5.1 U6.1 U7.3 | length 82.7
  Top Layer w0.5: U7.3 45.563,52.451 59.152,66.04 65.786,66.04 69.158,69.412 R17.1 69.194,71.222 69.194,73.412 C21.1 ; U5.1 73.624,73.34 73.574,73.39 73.574,73.765 71.774,75.565 69.85,75.565 69.229,74.944 C21.1 ; U4.1 73.949,84.185 73.675,84.185 73.675,84.821 72.009,86.487 69.85,86.487 69.257,85.894 ; U6.1 73.789,97.216 73.739,97.266 73.739,97.965 72.136,99.568 70.358,99.568 70.311,99.615 69.897,99.615 69.356,99.074 C24.1 69.321,97.628 69.321,95.098 R18.1 69.257,95.034 69.257,85.894 ; C21.1 69.194,73.483 69.194,82.073 R16.1 69.194,82.144 69.194,84.42 C20.1 69.257,84.483 69.257,85.894
pads on no net: IMU_Ex.1 IMU_Ex.6 IMU_IN.1 IMU_IN.6 IMU_IN.8 IMU_IN.9 IMU_IN.10 U1.4 U1.5 U1.13 U1.16 U1.17 U1.18 U1.19 U1.20 U1.21 U1.22 U1.23 U1.32 U1.39_1 U1.39_2 U1.39_3 U1.39_4 U1.39_5 U1.39_6 U1.39_7 U1.39_8 U1.39_9 U1.40_1 U1.40_2 U1.40_3 U1.40_4 U1.40_5 U1.40_6 U1.40_7 U1.40_8 U1.40_9 U1.40_10 U1.40_11 U1.40_12 U2.4 U2.5 U2.6 U2.7 U2.8 U2.9 U2.10 U2.11 U2.12 U2.13 U2.16 U2.17 U2.18 U2.19 U2.20 U2.21 U2.22 U2.23 U2.24 U2.26 U2.29 U2.30 U2.31 U2.32 U2.33 U2.36 U2.37 U2.39_1 U2.39_2 U2.39_3 U2.39_4 U2.39_5 U2.39_6 U2.39_7 U2.39_8 U2.39_9 U2.40_1 U2.40_2 U2.40_3 U2.40_4 U2.40_5 U2.40_6 U2.40_7 U2.40_8 U2.40_9 U2.40_10 U2.40_11 U2.40_12 U3.4 U3.5 U3.6 U3.7 U3.8 U3.9 U3.10 U3.11 U3.12 U3.13 U3.16 U3.17 U3.18 U3.19 U3.20 U3.21 U3.22 U3.23 U3.24 U3.26 U3.29 U3.30 U3.31 U3.32 U3.33 U3.36 U3.37 U3.39_1 U3.39_2 U3.39_3 U3.39_4 U3.39_5 U3.39_6 U3.39_7 U3.39_8 U3.39_9 U3.40_1 U3.40_2 U3.40_3 U3.40_4 U3.40_5 U3.40_6 U3.40_7 U3.40_8 U3.40_9 U3.40_10 U3.40_11 U3.40_12 U4.4 U5.4 U6.4
copper on no net:
  other v2: 115.316,47.879 41.021,48.006 115.443,128.651 41.148,128.778

## Polygon pours and split planes (outlines as drawn)
GND on Bottom Layer "GND_L02_P000" (solid, remove dead copper, pour order 0): 38.481,131.318 38.481,45.339 117.983,45.339 117.983,131.318
GND on Top Layer "GND_L01_P001" (solid, remove dead copper, pour order 1): 38.481,131.318 38.481,45.339 117.983,45.339 117.983,131.318

## Keep-outs
Keep-Out Layer:
  the board outline again, w0.5

## Silkscreen, mask and mechanical layers (free items; w line width, h text height)
Top Overlay:
  text "TX" at 106.99,128.674 h1
  text "RX" at 109.657,128.674 h1
  text "D32" at 56.071,128.166 h1
  text "D35" at 65.977,128.166 h1
  text "D34" at 76.645,128.166 h1
  text "D33" at 47.562,128.039 h1
  text "SDO" at 115.42,116.65 h1 r90
  text "D27" at 42.268,115.253 h1 r90
  text "3V3" at 115.42,113.602 h1 r90
  text "EN1" at 81.384,112.88 h1 r90
  text "BOOT1" at 103.355,111.118 h1 r90
  text "SCK" at 115.42,110.681 h1 r90
  text "SDI" at 115.42,108.054 h1 r90
  text "RX(X)" at 41.887,106.502 h1 r90
  text "DC" at 115.42,105.974 h1 r90
  text "-->" at 94.9,104.263 h1.5
  text "RST" at 115.42,102.807 h1 r90
  text "(T)TX" at 41.887,101.466 h1 r90
  text "UART2" at 50.269,101.172 h1 r90
  text "CS" at 115.293,100.386 h1 r90
  text "GND" at 108.562,98.616 h1 r90
  text "3V3" at 108.435,95.187 h1 r90
  text "BOOT2" at 53.928,93.495 h1
  text "SCL" at 106.403,93.409 h1 r90
  text "SDA" at 106.403,90.361 h1 r90
  text "GND" at 106.403,87.313 h1 r90
  text "3V3" at 106.403,84.265 h1 r90
  text "SCL" at 108.181,83.376 h1 r90
  text "SDA" at 108.181,80.328 h1 r90
  text "GND" at 108.181,77.153 h1 r90
  text "3V3" at 108.181,73.978 h1 r90
  text "EN_2" at 53.158,72.072 h1
  text "-" at 41.069,68.992 h1
  text "+" at 41.069,66.277 h1
  text "EN3" at 113.007,61.151 h1 r90
  text "-" at 41.069,60.229 h1
  text "BOOT3" at 83.924,59.643 h1 r90
  text "+" at 41.069,57.514 h1
  text "RX" at 73.97,47.013 h1
  text "TX" at 76.637,47.013 h1

## Text inside footprints (layer, text, board x,y; h text height)
IMU_IN: Mechanical 2 "Vin" at 102.249,81.933 h1.52 r90
U1: Mechanical 2 "1" at 85.559,124.95 h1.52
U2: Mechanical 2 "1" at 44.335,77.245 h1.52 r90
U3: Mechanical 2 "1" at 101.4,50.011 h1.52 r180